# Altium PCB MKRWANV1.0.PcbDoc (part 1 of 2)
Units mm, origin at the board's own origin, x right, y up, seen from the top; angles counter-clockwise.
Board outline 67.63 x 25 mm, 4 copper layers (Top, LFSignals, POWER, Bottom), stack 0.925 mm thick; 122 components, 88 nets, 394 pads, 212 vias.
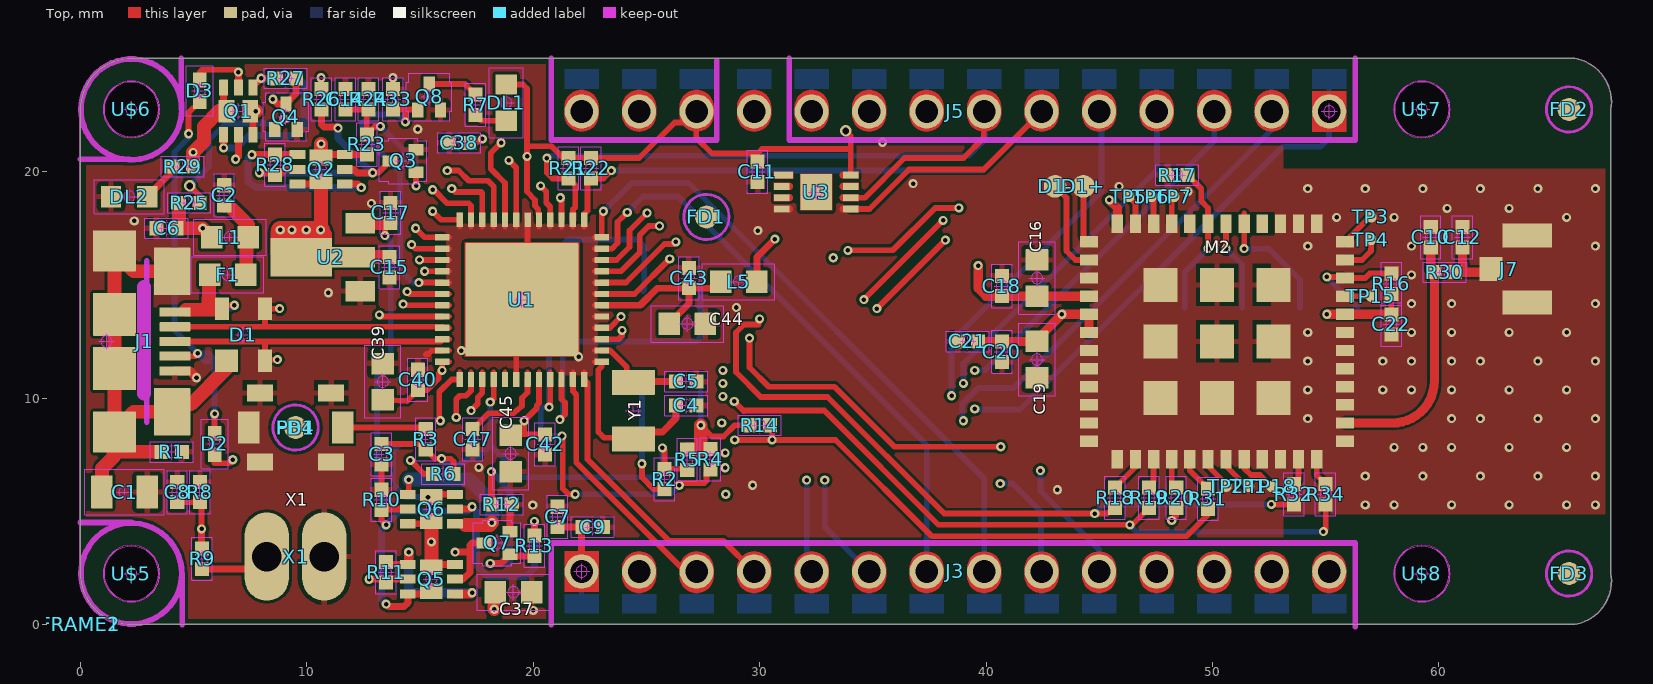
[diagram p0: Top view]
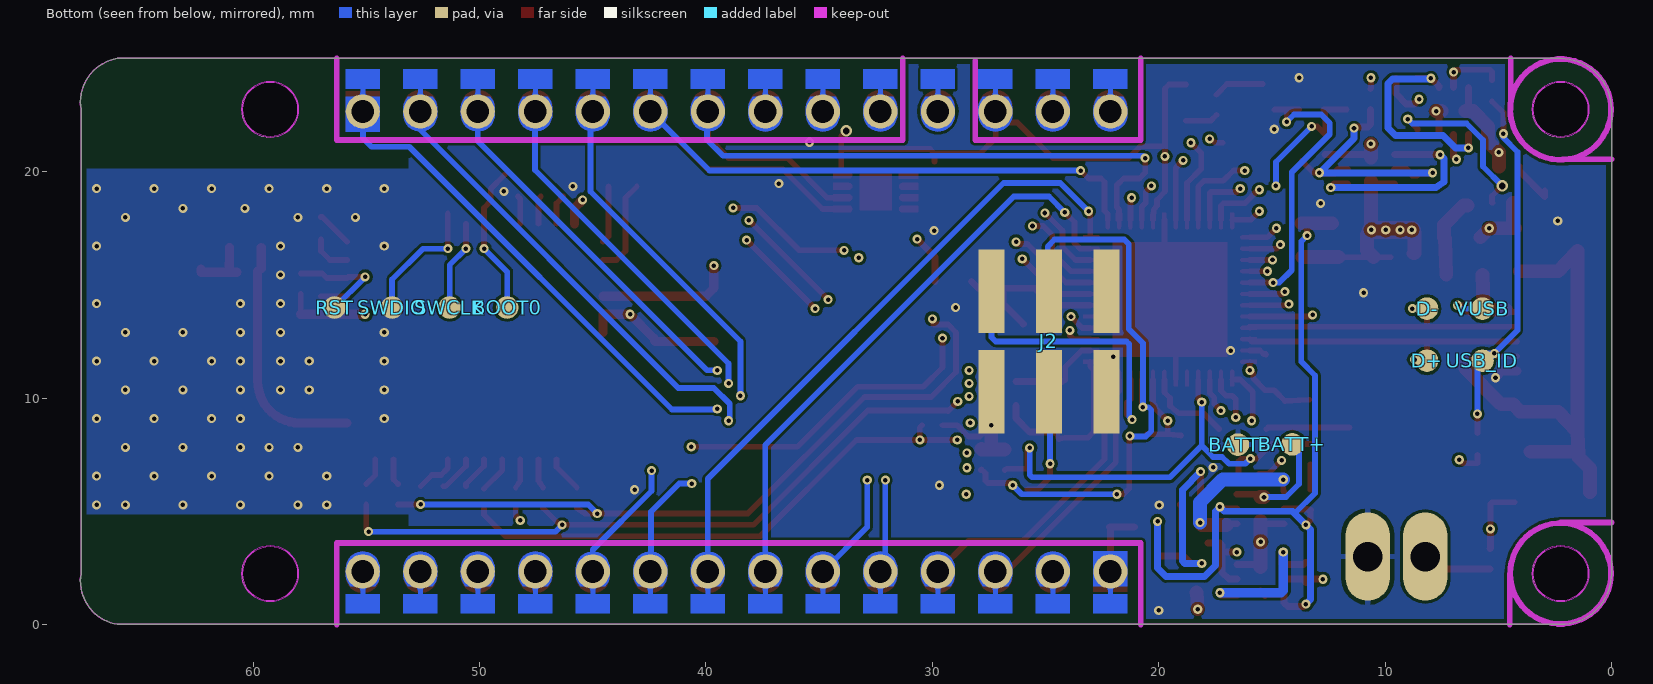
[diagram p1: Bottom view, seen from below]
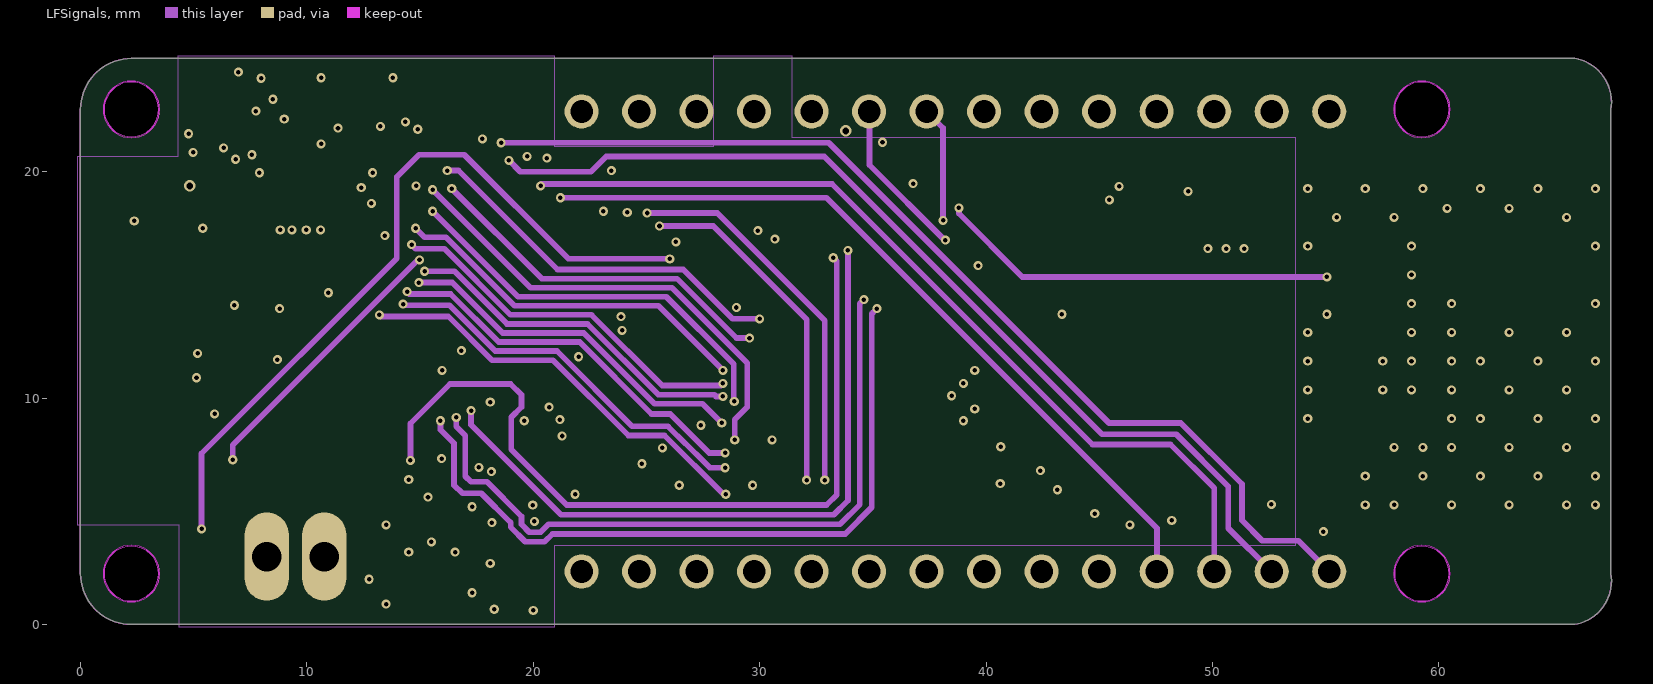
[diagram p2: LFSignals]
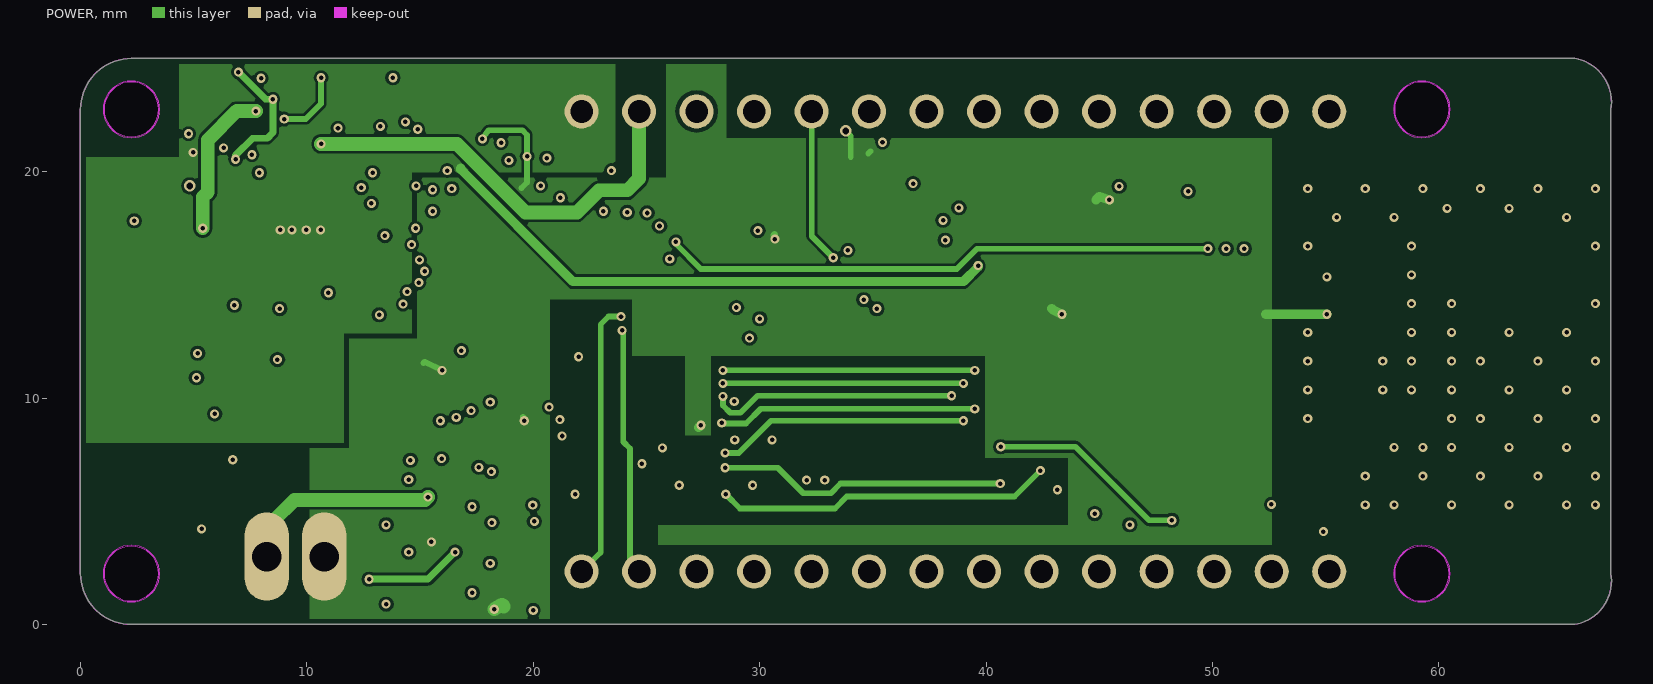
[diagram p3: POWER]

## Layer stack, top to bottom
Top Solder: solder mask 0.0102, Solder Resist, Dk 3.5
Top: signal copper 0.035
Dielectric 1: core 0.2, FR-4, Dk 4.8
LFSignals: signal copper 0.0175
Dielectric3: core 0.3, FR-4, Dk 4.8
POWER: signal copper 0.0175
Dielectric2: dielectric 0.32, FR-4, Dk 4.8
Bottom: signal copper 0.035
Bottom Solder: solder mask 0.0102, Solder Resist, Dk 3.5

## Board outline
66,25 2.25,25 ccw(c2.25,22.75) 0,22.75 0,2.25 ccw(c2.25,2.25) 2.25,0 66,0 ccw(c65.675,1.925) 67.6,2.25 67.6,22.75 ccw(c65.675,23.075)
cut-out: 2.25,21.5 ccw(c2.25,22.75) 3.5,22.75 ccw(c2.25,22.75) 2.25,24 ccw(c2.25,22.75) 1,22.75 ccw(c2.25,22.75)
cut-out: 2.25,1 ccw(c2.25,2.25) 3.5,2.25 ccw(c2.25,2.25) 2.25,3.5 ccw(c2.25,2.25) 1,2.25 ccw(c2.25,2.25)
cut-out: 59.25,1 ccw(c59.25,2.25) 60.5,2.25 ccw(c59.25,2.25) 59.25,3.5 ccw(c59.25,2.25) 58,2.25 ccw(c59.25,2.25)
cut-out: 59.25,21.5 ccw(c59.25,22.75) 60.5,22.75 ccw(c59.25,22.75) 59.25,24 ccw(c59.25,22.75) 58,22.75 ccw(c59.25,22.75)
cut-out: 2.25,21.544 ccw(c2.25,22.75) 3.456,22.75 ccw(c2.25,22.75) 2.25,23.957 ccw(c2.25,22.75) 1.043,22.75 ccw(c2.25,22.75)
cut-out: 2.25,1.043 ccw(c2.25,2.25) 3.456,2.25 ccw(c2.25,2.25) 2.25,3.456 ccw(c2.25,2.25) 1.043,2.25 ccw(c2.25,2.25)
cut-out: 59.25,1.043 ccw(c59.25,2.25) 60.457,2.25 ccw(c59.25,2.25) 59.25,3.456 ccw(c59.25,2.25) 58.044,2.25 ccw(c59.25,2.25)
cut-out: 59.25,21.544 ccw(c59.25,22.75) 60.457,22.75 ccw(c59.25,22.75) 59.25,23.957 ccw(c59.25,22.75) 58.044,22.75 ccw(c59.25,22.75)

## Design rules (kind name [scope] priority, off if disabled: settings)
BoardOutlineClearance mdCopperDimension [All] p1: gap=0.254 ignorepadtopadclearanceinfootprint=FALSE except(0: Arc-SplitContinuation Track-SplitContinuation SMDPad-SplitContinuation THPad-SplitContinuation Via-SplitContinuation Fill-SplitContinuation Poly-SplitContinuation Region-SplitContinuation Text-SplitContinuation)
Clearance Clearance_for_PolygonClass_Isolate_3.94 [InPolygonClass('Isolate_3.94') vs IsArc Or IsTrack Or IsPad Or IsVia Or IsFill Or IsRegion Or IsText] p1: gap=0.1 ignorepadtopadclearanceinfootprint=FALSE
Clearance "Clearance (Same Net)" [All] p2: gap=0.127 ignorepadtopadclearanceinfootprint=FALSE
Clearance [All] p3: gap=0.127 ignorepadtopadclearanceinfootprint=FALSE
HoleSize [All] p1: absolutevalues=TRUE maxlimit=2540 minlimit=0.195 maxpercent=80.000 minpercent=20.000
HoleToHoleClearance mdDrill [All] p1: gap=0.203 allowstackedmicrovias=TRUE
MinimumSolderMaskSliver [All] p1 off: minsoldermaskwidth=0.254
PasteMaskExpansion Expansion_SMDPaste_OFF [InPadClass('SMDPaste_OFF')] p1: expansion=0
PasteMaskExpansion mlMinCreamFrame [All] p2: expansion=0
PolygonConnect PolygonConnect_For_PolygonThermal_ON_Width100000_Gap70000 [InPolygonClass('PolygonThermal_ON_Width100000_Gap70000') vs Not IsVia] p1: connectstyle=Relief reliefconductorwidth=0.254 reliefentries=4 polygonreliefangle="90 Angle" airgapwidth=0.178
PolygonConnect PolygonConnect_For_PolygonThermal_ON_Width98400_Gap70000 [InPolygonClass('PolygonThermal_ON_Width98400_Gap70000') vs Not IsVia] p2: connectstyle=Relief reliefconductorwidth=0.25 reliefentries=4 polygonreliefangle="90 Angle" airgapwidth=0.178
PolygonConnect ThermalVias [IsVia] p3: connectstyle=Direct reliefconductorwidth=0.254 reliefentries=4 polygonreliefangle="90 Angle" airgapwidth=0.254
PolygonConnect [All] p4: connectstyle=Relief reliefconductorwidth=0.254 reliefentries=4 polygonreliefangle="90 Angle" airgapwidth=0.254
RoutingVias [All] p1: holewidth=0.195 width=0.398 viastyle="Through Hole" minholewidth=0.195 minwidth=0.398 maxholewidth=2.54 maxwidth=2.54
SolderMaskExpansion Expansion_SMDSolder_OFF [InPadClass('SMDSolder_OFF')] p1: expansion=0 istentingtop=FALSE
SolderMaskExpansion mlMinStopFrame [All] p2: expansion=0.102 istentingtop=FALSE
Width [All] p1: maxlimit=0.254 minlimit=0.203 preferedwidth=0.203
26 further rules are at their usual default settings.

## Classes and differential pairs
polygon class PolygonThermal_ON_Width100000_Gap70000: Polygon_1_Net_+3V3 Polygon_1_Net_+5V Polygon_1_Net_GND Polygon_4_Net_GND Polygon_5_Net_GND
polygon class PolygonThermal_ON_Width98400_Gap70000: Polygon_2_Net_GND Polygon_3_Net_GND
polygon class Isolate_3.94: Polygon_4_Net_GND
pad class SMDSolder_OFF: TP1-X TP2-X TP3-X TP4-X TP5-X TP6-X TP7-X TP15-X TP18-X U1-1 U1-2 U1-3 U1-4 U1-5 U1-6 U1-7 U1-8 U1-9 U1-10 U1-11 U1-12 U1-13 U1-14 U1-15 U1-16 U1-17 U1-18 U1-19 U1-20 U1-21 U1-22 U1-23 U1-24 U1-25 U1-26 U1-27 U1-28 U1-29 U1-30 U1-31 U1-32 U1-33 U1-34 U1-35 U1-36 U1-37 U1-38 U1-39 U1-40 U1-41 U1-42 U1-43 U1-44 U1-45 U1-46 U1-47 U1-48 U1-49 U3-1 U3-2 U3-3 U3-4 U3-5 U3-6 U3-7 U3-8 U3-9
pad class SMDPaste_OFF: BATT+-X BATT--X BOOT0-X D1+-X D1--X D+-X D--X FD1-P$1 FD2-P$1 FD3-P$1 FD4-P$1 RST-X SWCLK-X SWDIO-X TP1-X TP2-X TP3-X TP4-X TP5-X TP6-X TP7-X TP15-X TP18-X U1-1 U1-2 U1-3 U1-4 U1-5 U1-6 U1-7 U1-8 U1-9 U1-10 U1-11 U1-12 U1-13 U1-14 U1-15 U1-16 U1-17 U1-18 U1-19 U1-20 U1-21 U1-22 U1-23 U1-24 U1-25 U1-26 U1-27 U1-28 U1-29 U1-30 U1-31 U1-32 U1-33 U1-34 U1-35 U1-36 U1-37 U1-38 U1-39 U1-40 U1-41 U1-42 U1-43 U1-44 U1-45 U1-46 U1-47 U1-48 U1-49 U3-1 U3-2 U3-3 U3-4 U3-5 U3-6 U3-7 U3-8 U3-9 USB_ID-X VUSB-X

## Components (designator, comment, footprint, x,y, rotation, side; value= is the part's Value field where it differs from the comment)
BATT+ "" TP-1.00MM 14.1,7.955 r0 top
BATT- "" TP-1.00MM 16.505,7.945 r0 top
BOOT0 "" TP-1.00MM 48.78,14 r0 top
C1 "4n7" 0805-R2013X50N 1.95,5.85 r0 top
C2 "10n" 0402-1005X55N#1 6.35,18.95 r90 top
C3 "100n" 0402-1005X55N#1 13.3,7.525 r270 top
C4 "20p" 0402-1005X55N#1 26.759,9.673 r180 top
C5 "20p" 0402-1005X55N#1 26.759,10.734 r180 top
C6 "100n" 0402-1005X55N#1 3.8,17.5 r180 top
C7 "4u7" 0402-1005X55N#1 21.075,4.75 r90 top
C8 "100n" 0402-1005X55N#1 4.275,5.85 r90 top
C9 "100n" 0402-1005X55N#1 22.625,4.3 r0 top
C10 "DNP" 0402-1005X55N#1 59.64,17.1 r90 top
C11 "" 0402-1005X55N#1 29.9,20 r270 top
C12 "DNP" 0402-1005X55N#1 61.042,17.1 r90 top
C14 "100n" 0402-1005X55N#1 11.7,23.2 r90 top
C15 "1u" 0402-1005X55N#1 13.65,15.775 r270 top
C16 "" 0603-1608X90N 42.25,15.3 r90 top
C17 "1u" 0402-1005X55N#1 13.7,18.175 r90 top
C18 "" 0402-1005X55N#1 40.7,14.95 r90 top
C19 "" 0603-1608X90N 42.25,11.7 r270 top
C20 "" 0402-1005X55N#1 40.7,12.05 r270 top
C21 "" 0402-1005X55N#1 39.2,12.5 r180 top
C22 "" 0402-1005X55N#1 57.9,13.25 r270 top
C37 "10u" 0603-1608X90N 19.125,1.425 r0 top
C38 "100n" 0402-1005X55N#1 16.725,21.275 r180 top
C39 "10u" 0603-1608X90N 13.35,10.725 r90 top
C40 "100n" 0402-1005X55N#1 14.9,10.8 r90 top
C42 "100n" 0402-1005X55N#1 20.525,7.95 r270 top
C43 "100n" 0402-1005X55N#1 26.885,15.302 r90 top
C44 "10u" 0603-1608X90N 26.806,13.275 r0 top
C45 "10u" 0603-1608X90N 19,7.55 r270 top
C47 "1u" 0402-1005X55N#1 17.325,8.175 r270 top
D1 "PRTR5V0U2X,215" SOT190P230X110-4N 7.2,12.8 r90 top
D1+ "" TP-1.00MM 44.3,19.35 r180 bottom
D1- "" TP-1.00MM 43.05,19.35 r180 bottom
D2 "PMEG2005EL" SODFL1008X40N-882D 5.925,7.975 r270 top
D3 "PMEG2005EL" SODFL1008X40N-882D 5.275,23.575 r90 top
D+ "" TP-1.00MM 8.15,11.65 r0 top
D- "" TP-1.00MM 8.15,13.95 r0 top
DL1 "YELLOW" LEDC1608X80N-AK 18.8,23.05 r90 top
DL2 "GREEN" LEDC1608X80N-AK 2.15,18.9 r0 top
F1 "PTC" 0603-1608X90N 6.5,15.45 r180 top
FD1 "" FD-1-1.5 27.65,18 r90 top
FD2 "" FD-1-1.5 65.75,22.75 r180 top
FD3 "" FD-1-1.5 65.75,2.25 r90 top
FD4 "" FD-1-1.5 9.5,8.7 r0 top
FRAME1 "" FRAME 0,0 r0 top
FRAME2 "" FRAME 0,0 r0 top
J1 "USB-MICRO" ZX62-AB-5PA 1.15,12.5 r270 top
J2 "DNP" 2X3_SMT 24.85,12.5 r180 bottom
J3 "DNP" 1X14_SMD_TH#1 22.135,2.34 r0 top
J5 "DNP" 1X14_SMD_TH#2 55.155,22.66 r180 top
J7 "" U.FL-R-SMT-1(60) 63.9,15.7 r270 top
L1 "FERRITE-470R" 0603-1608X90N@1 6.6,17.1 r180 top
L5 "FERRITE-470R" 0603-1608X90N@1 29.074,15.143 r180 top
M2 "" CMWX1ZZABZ-078 50.2,12.5 r0 top
PB1 "" C&K_PTS820_NO_HOLES 9.5,8.7 r0 top
Q1 "DMP2160UFDB" PWR_SC70 6.975,22.675 r270 top
Q2 "DMP2160UFDB" PWR_SC70 10.625,20.1 r0 top
Q3 "2N7002T" SOTFL50P160X78-3 14.25,20.475 r90 top
Q4 "2N7002T" SOTFL50P160X78-3 9.075,22.425 r0 top
Q5 "DMP2160UFDB" PWR_SC70 15.5,2 r180 top
Q6 "DMP2160UFDB" PWR_SC70 15.5,5.1 r0 top
Q7 "2N7002T" SOTFL50P160X78-3 18.4,3.6 r90 top
Q8 "2N7002T" SOTFL50P160X78-3 15.4,23.3 r0 top
R1 "1M" 0402-1005X55N#1 4.025,7.625 r180 top
R2 "330R" 0402-1005X55N#1 25.8,6.425 r90 top
R3 "330R" 0402-1005X55N#1 15.25,8.175 r270 top
R4 "10k" 0402-1005X55N#1 27.825,7.3 r90 top
R5 "10k" 0402-1005X55N#1 26.8,7.275 r90 top
R6 "330R" 0402-1005X55N#1 16.025,6.65 r180 top
R7 "330R" 0402-1005X55N#1 17.45,22.95 r270 top
R8 "330k" 0402-1005X55N#1 5.275,5.85 r270 top
R9 "680k" 0402-1005X55N#1 5.375,2.9 r270 top
R10 "10k" 0402-1005X55N#1 13.3,5.5 r270 top
R11 "10k" 0402-1005X55N#2 13.5,2.3 r90 top
R12 "100k" 0402-1005X55N#1 18.6,5.3 r180 top
R13 "47k" 0402-1005X55N#1 20.05,3.475 r90 top
R14 "10k" 0402-1005X55N#1 30,8.8 r180 top
R16 "" 0402-1005X55N#1 57.9,15.05 r270 top
R17 "" 0402-1005X55N#1 48.45,19.85 r0 top
R18 "" 0402-1005X55N#1 45.7,5.6 r270 top
R19 "" 0402-1005X55N#1 47.2,5.6 r270 top
R20 "" 0402-1005X55N#1 48.4,5.6 r270 top
R21 "4k7" 0402-1005X55N#1 21.55,20.15 r90 top
R22 "4k7" 0402-1005X55N#1 22.55,20.15 r90 top
R23 "100k" 0402-1005X55N#1 12.65,21.2 r270 top
R24 "100k" 0402-1005X55N#1 12.725,23.2 r270 top
R25 "100k" 0402-1005X55N#1 4.8,18.625 r180 top
R26 "330R" 0402-1005X55N#1 10.65,23.2 r90 top
R27 "10k" 0402-1005X55N#1 9.075,24.125 r180 top
R28 "10k" 0402-1005X55N#1 8.6,20.3 r90 top
R29 "330R" 0402-1005X55N#1 4.525,20.225 r0 top
R30 "0R" 0402-1005X55N#1 60.26,15.56 r0 top
R31 "" 0402-1005X55N#1 49.8,5.55 r270 top
R32 "" 0402-1005X55N#1 53.6,5.75 r270 top
R33 "100k" 0402-1005X55N#1 13.8,23.2 r270 top
R34 "" 0402-1005X55N#1 55,5.75 r270 top
RST "" TP-1.00MM 56.4,14 r0 top
SWCLK "" TP-1.00MM 51.32,14 r0 top
SWDIO "" TP-1.00MM 53.86,14 r0 top
TP1 "" TP-0.50MM 51.6,6.1 r180 bottom
TP2 "" TP-0.50MM 50.6,6.1 r180 bottom
TP3 "" TP-0.50MM 57,18 r180 bottom
TP4 "" TP-0.50MM 57,17 r180 bottom
TP5 "" TP-0.50MM 46.3,18.9 r180 bottom
TP6 "" TP-0.50MM 47.3,18.9 r180 bottom
TP7 "" TP-0.50MM 48.3,18.9 r180 bottom
TP15 "" TP-0.50MM 57,14.5 r180 bottom
TP18 "" TP-0.50MM 52.6,6.1 r180 bottom
U1 "D21G18" QFN50P700X700X90-49XN-EPSQ515 19.5,14.35 r180 top
U2 "" SOT89-3L 12.35,16.225 r90 top
U3 "ECC508" SON50P300X200X60-9N-EP160X140 32.5,19.1 r0 top
U$5 "" MH_RND_F_2.2MM_NM 2.25,2.25 r90 top
U$6 "" MH_RND_F_2.2MM_NM 2.25,22.75 r90 top
U$7 "" MH_RND_F_2.2MM_NM 59.25,22.75 r90 top
U$8 "" MH_RND_F_2.2MM_NM 59.25,2.25 r90 top
USB_ID "" TP-1.00MM 5.7,11.65 r0 top
VUSB "" TP-1.00MM 5.7,13.95 r0 top
X1 "" SCREW2 9.5,3 r0 top
Y1 "32.768KHz" ABS07 24.42,9.442 r270 top

## Footprints (in the part's own frame and the unit in brackets; to place one, negate y for a bottom-side part, rotate by r counter-clockwise, add the part's x,y. Pads: shape width x height; smd on the part's side, far side on the other; paste and mask are expansions set on the pad)
1X14_SMD_TH#1 [mm] "1X14_SMD_TH"
  round 1.508 hole 1: 1(0,0) 2(2.54,0) 3(5.08,0) 4(7.62,0) 5(10.16,0) 6(12.7,0) 7(15.24,0) 8(17.78,0) 9(20.32,0) 10(22.86,0) 11(25.4,0) 12(27.94,0) 13(30.48,0) 14(33.02,0)
  Top region: 33.02,0.889 32.733,0.832 32.49,0.67 32.328,0.426 32.271,0.14 32.271,0.14 32.271,0 32.271,-0.203 32.328,-0.49 32.49,-0.733 32.733,-0.895 33.02,-0.953 33.02,-0.952 33.307,-0.895 33.55,-0.733 33.712,-0.49 33.769,-0.203 33.769,-0.203 33.769,0 33.769,0.14 33.712,0.426 33.55,0.67 33.307,0.832 33.02,0.889 33.02,0.889
  Top region: 30.48,0.889 30.193,0.832 29.95,0.67 29.788,0.426 29.731,0.14 29.731,0.14 29.731,0 29.731,-0.203 29.788,-0.49 29.95,-0.733 30.193,-0.895 30.48,-0.953 30.48,-0.952 30.767,-0.895 31.01,-0.733 31.172,-0.49 31.229,-0.203 31.229,-0.203 31.229,0 31.229,0.14 31.172,0.426 31.01,0.67 30.767,0.832 30.48,0.889 30.48,0.889
  Top region: 27.94,0.889 27.653,0.832 27.41,0.67 27.248,0.426 27.191,0.14 27.191,0.14 27.191,0 27.191,-0.203 27.248,-0.49 27.41,-0.733 27.653,-0.895 27.94,-0.953 27.94,-0.952 28.227,-0.895 28.47,-0.733 28.632,-0.49 28.689,-0.203 28.689,-0.203 28.689,0 28.689,0.14 28.632,0.426 28.47,0.67 28.227,0.832 27.94,0.889 27.94,0.889
  Top region: 25.4,0.889 25.113,0.832 24.87,0.67 24.708,0.426 24.651,0.14 24.651,0.14 24.651,0 24.651,-0.203 24.708,-0.49 24.87,-0.733 25.113,-0.895 25.4,-0.953 25.4,-0.952 25.687,-0.895 25.93,-0.733 26.092,-0.49 26.149,-0.203 26.149,-0.203 26.149,0 26.149,0.14 26.092,0.426 25.93,0.67 25.687,0.832 25.4,0.889 25.4,0.889
  Top region: 22.86,0.889 22.573,0.832 22.33,0.67 22.168,0.426 22.111,0.14 22.111,0.14 22.111,0 22.111,-0.203 22.168,-0.49 22.33,-0.733 22.573,-0.895 22.86,-0.953 22.86,-0.952 23.147,-0.895 23.39,-0.733 23.552,-0.49 23.609,-0.203 23.609,-0.203 23.609,0 23.609,0.14 23.552,0.426 23.39,0.67 23.147,0.832 22.86,0.889 22.86,0.889
  Top region: 20.32,0.889 20.033,0.832 19.79,0.67 19.628,0.426 19.571,0.14 19.571,0.14 19.571,0 19.571,-0.203 19.628,-0.49 19.79,-0.733 20.033,-0.895 20.32,-0.953 20.32,-0.952 20.607,-0.895 20.85,-0.733 21.012,-0.49 21.069,-0.203 21.069,-0.203 21.069,0 21.069,0.14 21.012,0.426 20.85,0.67 20.607,0.832 20.32,0.889 20.32,0.889
  Top region: 17.78,0.889 17.493,0.832 17.25,0.67 17.088,0.426 17.031,0.14 17.031,0.14 17.031,0 17.031,-0.203 17.088,-0.49 17.25,-0.733 17.493,-0.895 17.78,-0.953 17.78,-0.952 18.067,-0.895 18.31,-0.733 18.472,-0.49 18.529,-0.203 18.529,-0.203 18.529,0 18.529,0.14 18.472,0.426 18.31,0.67 18.067,0.832 17.78,0.889 17.78,0.889
  Top region: 15.24,0.889 14.953,0.832 14.71,0.67 14.548,0.426 14.491,0.14 14.491,0.14 14.491,0 14.491,-0.203 14.548,-0.49 14.71,-0.733 14.953,-0.895 15.24,-0.953 15.24,-0.952 15.527,-0.895 15.77,-0.733 15.932,-0.49 15.989,-0.203 15.989,-0.203 15.989,0 15.989,0.14 15.932,0.426 15.77,0.67 15.527,0.832 15.24,0.889 15.24,0.889
  Top region: 12.7,0.889 12.413,0.832 12.17,0.67 12.008,0.426 11.951,0.14 11.951,0.14 11.951,0 11.951,-0.203 12.008,-0.49 12.17,-0.733 12.413,-0.895 12.7,-0.953 12.7,-0.952 12.987,-0.895 13.23,-0.733 13.392,-0.49 13.449,-0.203 13.449,-0.203 13.449,0 13.449,0.14 13.392,0.426 13.23,0.67 12.987,0.832 12.7,0.889 12.7,0.889
  Top region: 10.16,0.889 9.873,0.832 9.63,0.67 9.468,0.426 9.411,0.14 9.411,0.14 9.411,0 9.411,-0.203 9.468,-0.49 9.63,-0.733 9.873,-0.895 10.16,-0.953 10.16,-0.952 10.447,-0.895 10.69,-0.733 10.852,-0.49 10.909,-0.203 10.909,-0.203 10.909,0 10.909,0.14 10.852,0.426 10.69,0.67 10.447,0.832 10.16,0.889 10.16,0.889
  Top region: 7.62,0.889 7.333,0.832 7.09,0.67 6.928,0.426 6.871,0.14 6.871,0.14 6.871,0 6.871,-0.203 6.928,-0.49 7.09,-0.733 7.333,-0.895 7.62,-0.953 7.62,-0.952 7.907,-0.895 8.15,-0.733 8.312,-0.49 8.369,-0.203 8.369,-0.203 8.369,0 8.369,0.14 8.312,0.426 8.15,0.67 7.907,0.832 7.62,0.889 7.62,0.889
  Top region: 5.08,0.889 4.793,0.832 4.55,0.67 4.388,0.426 4.331,0.14 4.331,0.14 4.331,0 4.331,-0.203 4.388,-0.49 4.55,-0.733 4.793,-0.895 5.08,-0.953 5.08,-0.952 5.367,-0.895 5.61,-0.733 5.772,-0.49 5.829,-0.203 5.829,-0.203 5.829,0 5.829,0.14 5.772,0.426 5.61,0.67 5.367,0.832 5.08,0.889 5.08,0.889
  Top region: 2.54,0.889 2.253,0.832 2.01,0.67 1.848,0.426 1.791,0.14 1.791,0.14 1.791,0 1.791,-0.203 1.848,-0.49 2.01,-0.733 2.253,-0.895 2.54,-0.953 2.54,-0.952 2.827,-0.895 3.07,-0.733 3.232,-0.49 3.289,-0.203 3.289,-0.203 3.289,0 3.289,0.14 3.232,0.426 3.07,0.67 2.827,0.832 2.54,0.889 2.54,0.889